# Allegro board LAY-27392_C.brd (continued)
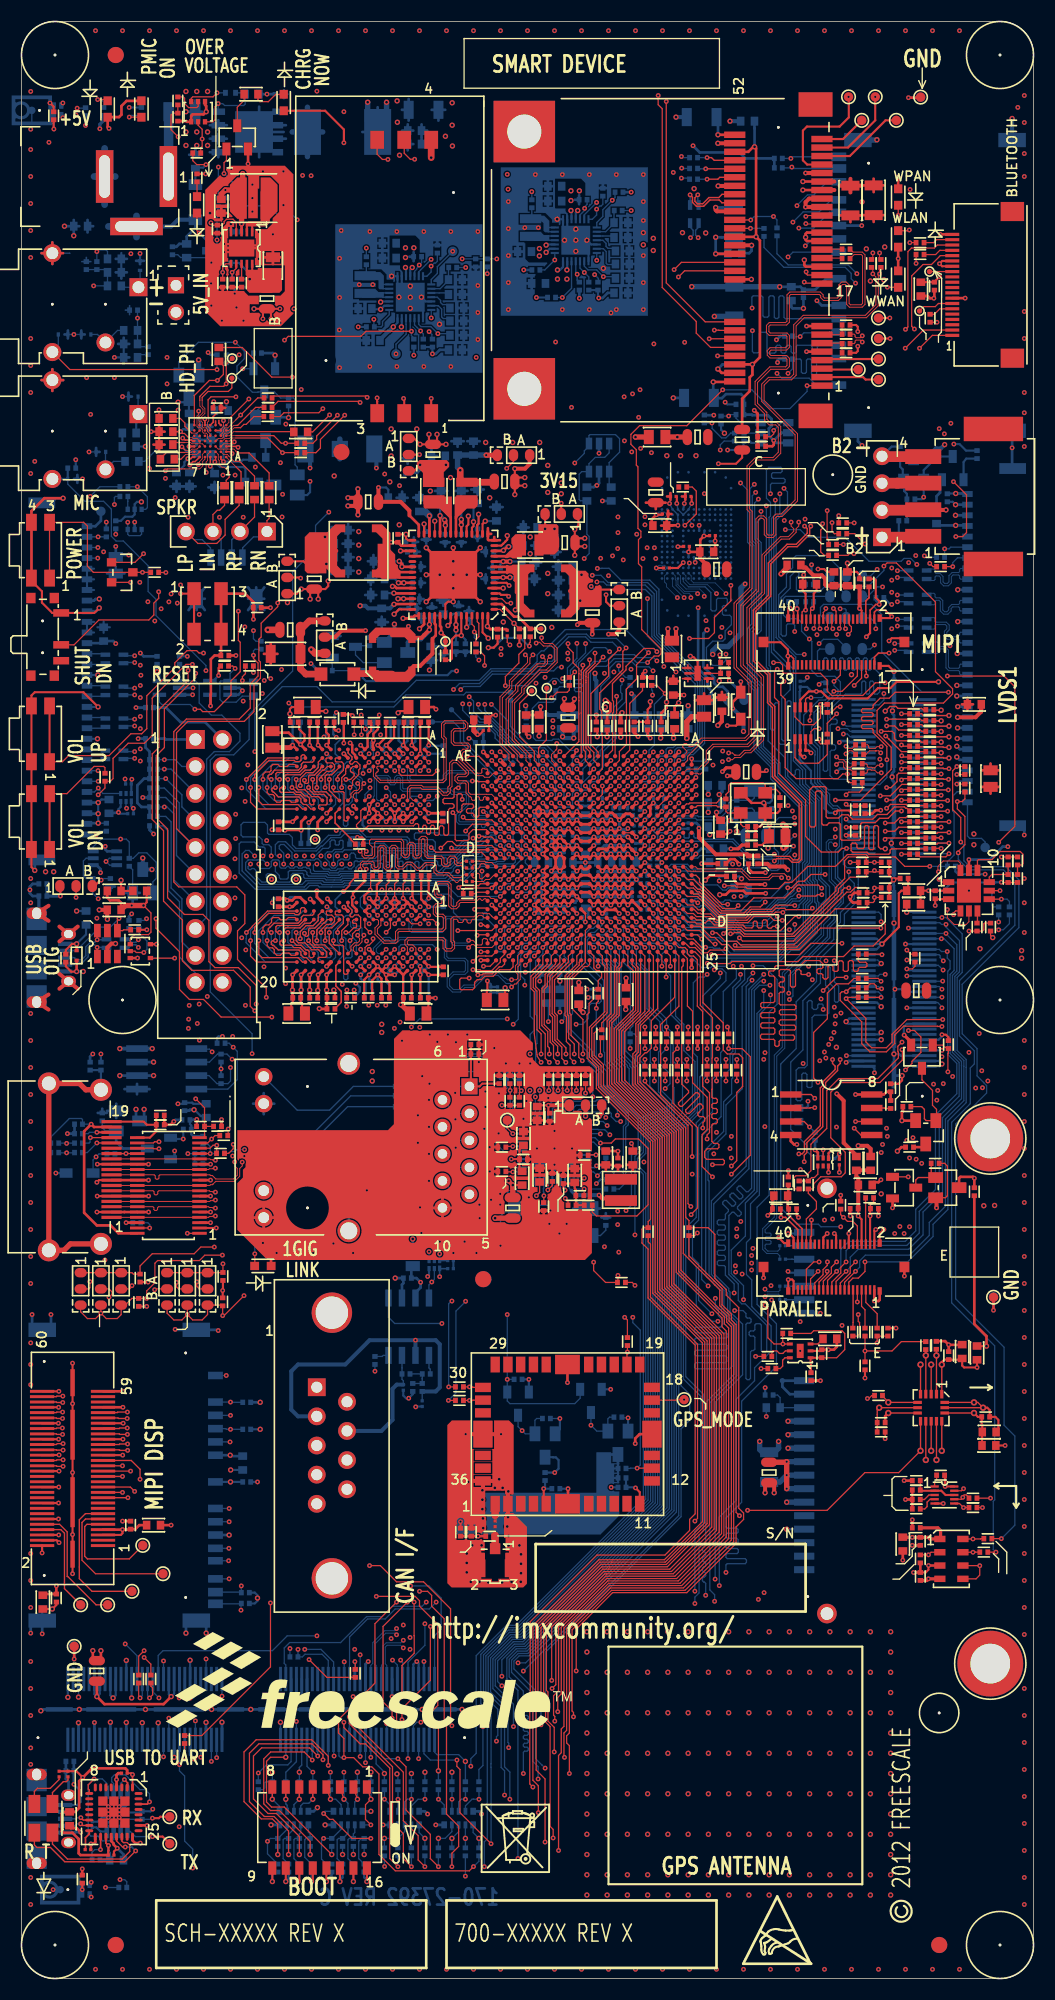
[diagram p0: board, top side]
## Routing (per net, layer and track width the routed paths; a pad name or vN(x,y) marks a point on that pad's centre or on a via; arc(x,y) is an arc through that point) (continued)
DRAM_D11: length 16.6
  TOP w0.119: U1.AE7 43.17,110.21 43.05,110.09 43.05,109.42 42.93,109.3 42.69,109.3 42.58,109.42 42.58,109.53 42.46,109.65 42,109.65 41.88,109.77 41.88,109.96 42.01,110.08 42.42,110.08 42.55,110.21 42.55,110.39 42.42,110.52 41.58,110.52 41.45,110.39 41.45,109.88 41.33,109.75 41.12,109.75 41,109.88 41,111.35 41.12,111.48 41.36,111.48 41.49,111.35 v1(41.49,110.94) ; v1(37.53,109.65) 37.14,110.04 U3.B8
  L6_INT_2 w0.114: v1(37.53,109.65) 37.95,110.06 38.61,110.06 39.15,110.59 39.42,110.59 39.77,110.94 40.04,110.94 40.15,110.83 40.15,110.48 40.27,110.36 40.5,110.36 40.61,110.48 40.61,110.83 40.72,110.94 40.92,110.94 41.05,110.81 41.05,110.31 41.17,110.19 41.63,110.19 41.76,110.31 41.76,110.81 41.63,110.94 v1(41.49,110.94)
DRAM_D12: length 16.7
  TOP w0.119: v1(45.87,112.21) U1.AB5 ; v1(38.33,114.45) 37.94,114.84 U3.A2
  L6_INT_2 w0.114: v1(45.87,112.21) 45.87,112.45 45.47,112.85 45.47,113.98 45.23,114.22 44.07,114.22 43.51,114.78 43.23,114.78 42.85,115.16 42.85,115.34 42.71,115.48 40.73,115.48 40.59,115.34 40.59,114.63 39.8,113.84 39.66,113.84 39.5,113.99 39.5,114.15 40.24,114.88 40.24,115.09 40.09,115.24 39.91,115.24 39.59,114.91 39.42,114.91 39.26,115.07 39.1,115.07 38.94,114.91 38.94,114.75 39.1,114.59 39.1,114.17 38.97,114.05 38.05,114.05 37.92,114.17 37.92,114.34 38.02,114.45 38.33,114.45 v1(38.33,114.45)
DRAM_D13: length 16.5
  TOP w0.119: v1(37.53,113.65) 37.93,114.04 U3.A3 ; v1(45.07,112.21) U1.AC5
  L6_INT_2 w0.114: v1(37.53,113.65) 37.74,113.65 37.87,113.52 37.87,112.67 37.95,112.6 38.15,112.6 38.2,112.65 38.2,113.06 38.28,113.13 38.48,113.13 38.57,113.04 38.57,112.69 38.68,112.57 38.86,112.57 38.98,112.69 38.98,112.99 39.09,113.11 39.27,113.11 39.38,112.99 39.38,112.69 39.5,112.57 39.65,112.57 39.95,112.88 40.16,112.88 40.32,113.04 40.32,113.2 40.14,113.38 40.14,113.54 40.3,113.71 40.46,113.71 40.64,113.52 40.8,113.52 40.97,113.69 40.97,113.85 40.78,114.03 40.78,114.19 41.05,114.45 41.27,114.45 41.4,114.33 41.4,113.66 41.5,113.56 42.16,113.56 42.27,113.66 42.27,114.33 42.57,114.63 42.75,114.63 43.05,114.33 43.23,114.33 43.77,113.79 44.25,113.79 44.44,113.6 44.44,112.64 44.86,112.21 v1(45.07,112.21)
DRAM_D14: length 16.5
  TOP w0.119: v1(45.87,111.41) U1.AB6 ; U3.C3 36.34,114.04 v1(36.73,113.65)
  L6_INT_2 w0.114: v1(45.87,111.41) 45.87,111.6 46.28,112.01 46.28,113.18 46.78,113.68 46.78,113.85 45.63,115 43.33,115 43.31,115.02 43.08,115.25 43.08,115.54 42.93,115.7 40.47,115.7 40.3,115.52 39.97,115.52 39.79,115.7 38.95,115.7 38.84,115.58 38.84,115.19 38.51,114.86 38.5,114.86 38.49,114.86 37.37,114.86 37.14,114.63 37.14,114.6 37.14,114.6 37.14,114.28 37.14,114.28 37.14,114.05 v1(36.73,113.65)
DRAM_D15: length 16.5
  TOP w0.119: U3.C8 36.33,110.04 v1(36.73,110.45) ; v1(45.07,110.61) U1.AC7
  L6_INT_2 w0.114: v1(36.73,110.45) 36.73,110.72 36.86,110.85 39.26,110.85 39.27,110.86 39.29,110.86 39.52,111.09 39.52,111.11 39.74,111.33 40.07,111.33 40.19,111.46 40.19,111.68 40.32,111.81 40.67,111.81 40.79,111.68 40.79,111.43 40.92,111.3 41.09,111.3 41.22,111.43 41.22,111.58 41.4,111.76 41.63,111.76 42.04,111.35 42.04,110.95 42.16,110.82 42.37,110.82 42.49,110.95 42.49,111.2 42.62,111.33 42.8,111.33 42.93,111.2 42.93,110.87 43.05,110.74 43.26,110.74 43.38,110.87 43.38,111.12 43.51,111.25 43.87,111.25 43.99,111.38 43.99,111.63 44.09,111.73 44.27,111.73 44.67,111.34 44.67,111.16 44.5,111 44.11,111 43.88,110.77 43.88,110.34 44.01,110.21 45.24,110.21 45.35,110.32 45.35,110.48 45.23,110.61 v1(45.07,110.61)
DRAM_D16: length 15.5
  TOP w0.119: U1.AB7 46.25,110.21 v1(45.87,110.61)
  L3_INT_1 w0.114: v1(35.93,113.65) 35.86,113.65 35.76,113.54 35.76,113.35 35.53,113.12 35.53,112.98 35.66,112.85 37.64,112.85 37.88,112.61 37.88,112.5 38.01,112.37 40.3,112.37 40.53,112.14 40.68,112.14 40.96,112.42 41.28,112.42 41.51,112.19 41.51,111.99 41.64,111.86 42.75,111.86 42.88,111.73 42.88,111.4 43,111.28 43.18,111.28 43.31,111.4 43.31,111.7 43.43,111.82 43.63,111.82 43.84,111.61 43.84,111.4 43.97,111.28 44.17,111.28 44.3,111.4 44.3,111.68 44.42,111.81 44.55,111.81 44.68,111.68 44.68,111.25 44.91,111.02 45.2,111.02 45.61,110.61 v1(45.87,110.61)
  BOTTOM w0.119: v1(35.93,113.65) 35.53,114.05 U5.D7
DRAM_D17: length 15.6
  TOP w0.119: v1(46.67,109.81) U1.AA8
  L3_INT_1 w0.114: v1(36.73,114.45) 36.73,114.19 36.35,113.81 36.35,113.28 36.47,113.16 37.85,113.16 37.97,113.03 37.97,112.88 38.1,112.75 41.53,112.75 41.66,112.62 41.66,112.39 41.94,112.12 42.83,112.12 43.08,112.36 43.08,112.37 43.31,112.6 44.43,112.6 44.65,112.37 44.65,112.05 44.91,111.8 45.23,111.8 45.45,111.57 45.45,111.25 45.71,111 46.1,111 46.25,110.84 46.25,110.22 v1(46.67,109.81)
  BOTTOM w0.119: U5.C8 36.34,114.84 v1(36.73,114.45)
DRAM_D18: length 15.6
  TOP w0.119: U1.AB9 46.27,108.62 v1(45.87,109.01)
  L3_INT_1 w0.114: v1(35.93,110.45) 36.33,110.85 38.51,110.85 38.74,111.07 38.74,111.51 38.89,111.66 39.29,111.66 39.42,111.53 39.42,111.51 39.52,111.41 39.52,111.09 39.42,110.98 39.42,110.49 39.55,110.36 41.2,110.36 41.39,110.55 41.88,110.55 42.01,110.43 42.01,110.24 41.78,110.01 41.78,109.86 42.01,109.63 42.82,109.63 42.95,109.5 42.95,108.81 43.21,108.56 43.46,108.56 43.59,108.69 43.59,108.86 43.71,108.99 44.5,108.99 44.91,109.4 45.23,109.4 45.36,109.26 45.62,109.26 v1(45.87,109.01)
  BOTTOM w0.119: v1(35.93,110.45) 36.33,110.05 U5.C2
DRAM_D19: length 15.4
  TOP w0.119: v1(47.47,109.01) U1.Y9
  L3_INT_1 w0.114: v1(38.33,110.45) 38.73,110.45 38.86,110.32 38.86,109.86 38.99,109.73 39.98,109.73 40.11,109.6 40.11,109.17 39.98,109.04 38.99,109.04 38.86,108.92 38.86,108.56 38.99,108.43 41.99,108.43 42.14,108.28 42.14,108.19 42.46,107.87 43.22,107.87 43.27,107.82 46.83,107.82 47.05,108.05 47.05,108.4 47.28,108.63 47.28,108.83 v1(47.47,109.01)
  BOTTOM w0.119: v1(38.33,110.45) 37.93,110.04 U5.A2
DRAM_D20: length 15.6
  TOP w0.119: v1(47.47,110.61) U1.Y7
  L3_INT_1 w0.114: v1(47.47,110.61) 47.47,110.86 47.08,111.25 47.08,111.62 46.9,111.8 46.41,111.8 46.28,111.92 46.28,112.39 46.08,112.6 45.59,112.6 45.47,112.72 45.47,113.15 45.44,113.17 45.22,113.4 45.22,113.4 44.92,113.4 44.67,113.65 44.47,113.65 44.36,113.54 44.36,113.29 44.25,113.18 44.1,113.18 43.99,113.29 43.99,113.54 43.88,113.65 43.73,113.65 43.62,113.54 43.62,113.29 43.52,113.18 43.36,113.18 43.26,113.29 43.26,113.54 43.15,113.65 42.96,113.65 42.59,113.28 41.57,113.28 40.8,114.05 40.5,114.05 40.39,113.94 40.39,113.44 40.28,113.33 40.13,113.33 40.02,113.44 40.02,113.94 39.89,114.07 38.76,114.07 38.59,113.9 v1(38.33,113.65)
  BOTTOM w0.119: v1(38.33,113.65) 37.94,114.04 U5.A7
DRAM_D21: length 15.5
  TOP w0.119: v1(47.47,109.81) U1.Y8
  L3_INT_1 w0.114: v1(36.73,115.25) 37.15,114.83 37.69,114.83 37.94,114.59 37.94,113.5 37.95,113.49 37.95,113.49 38.17,113.26 38.18,113.26 38.35,113.08 41.34,113.08 41.45,112.97 41.94,112.97 42.04,113.06 42.65,113.06 42.75,112.97 44.36,112.97 44.52,112.81 44.73,112.6 45.23,112.6 45.45,112.37 45.45,112.05 45.71,111.8 46.03,111.8 46.25,111.57 46.25,111.28 46.28,111.25 46.28,111.25 46.51,111.02 46.51,111.02 46.53,111 46.84,111 47.06,110.77 47.06,110.21 v1(47.47,109.81)
  BOTTOM w0.119: U5.B8 37.13,114.85 v1(36.73,115.25)
DRAM_D22: length 15.6
  TOP w0.119: v1(45.07,109.81) U1.AC8
  L3_INT_1 w0.114: v1(45.07,109.81) 44.87,110.01 44.72,110.01 44.5,110.22 44.11,110.22 44.09,110.24 43.41,110.24 43.37,110.2 43.31,110.2 43.12,110.01 42.47,110.01 42.34,110.13 42.34,110.65 42.21,110.78 42,110.78 41.87,110.91 41.87,111.1 41.65,111.33 41.33,111.33 41.1,111.1 41.1,110.87 40.97,110.74 40.15,110.74 40.02,110.87 40.02,111.76 39.89,111.89 38.61,111.89 38.38,111.66 37.49,111.66 37.36,111.79 37.36,112.12 37.24,112.24 36.58,112.24 36.45,112.12 36.45,111.37 36.58,111.25 v1(37.53,111.25)
  BOTTOM w0.119: v1(37.53,111.25) 36.73,111.25 36.33,110.84 U5.C3
DRAM_D23: length 15.5
  TOP w0.119: v1(46.67,109.01) U1.AA9
  L3_INT_1 w0.114: v1(39.13,111.25) 39.13,110.13 39.26,110.01 40.18,110.01 40.31,110.13 40.98,110.13 41.11,110.01 41.11,109.4 41.03,109.32 40.56,109.32 40.44,109.19 40.44,108.78 40.56,108.65 40.83,108.65 41.02,108.84 41.31,108.84 41.5,108.65 41.76,108.65 41.88,108.78 41.88,109.05 42.05,109.22 42.29,109.22 42.42,109.09 42.42,108.38 42.54,108.25 43.71,108.25 44.06,108.6 44.43,108.6 44.57,108.46 44.75,108.46 44.89,108.6 45.23,108.6 45.37,108.46 45.54,108.46 45.7,108.62 45.96,108.62 45.99,108.6 46.03,108.6 46.17,108.46 46.35,108.46 46.49,108.6 46.54,108.6 46.67,108.72 v1(46.67,109.01)
  BOTTOM w0.119: U5.A3 37.93,110.85 38.73,110.85 v1(39.13,111.25)
DRAM_D24: length 21.6
  TOP w0.119: U1.AE9 42.45,108.61 v1(41.81,107.97)
  L6_INT_2 w0.114: v1(41.81,107.97) 41.81,107.32 41.96,107.16 41.96,106.81 41.76,106.6 41.4,106.6 40.89,107.11 37.54,107.11 37.43,107 34.28,107 33.51,107.77 33.51,108.25 33.94,108.69 33.94,110.59 33.69,110.83 33.58,110.83 33.45,110.96 33.45,111.92 33.22,112.15 33.22,112.98 33.35,113.11 33.66,113.11 34.09,112.67 34.09,112.29 34.33,112.05 v1(34.33,112.05)
  BOTTOM w0.119: U5.E3 34.73,110.94 34.73,110.95 34.73,111.65 v1(34.33,112.05)
DRAM_D25: length 21.6
  TOP w0.119: v1(47.47,108.21) U1.Y10
  L6_INT_2 w0.114: v1(47.47,108.21) 47.45,108.21 47.06,108.6 46.52,108.6 46.25,108.86 46.25,109.24 46.1,109.4 44.75,109.4 44.42,109.07 43.59,109.07 42.72,109.93 41.25,109.93 40.99,109.67 40.99,109.54 40.58,109.14 39.89,108.45 37.36,108.45 37.14,108.66 37.14,109.02 36.91,109.25 35.79,109.25 35.52,109.51 35.52,110.69 35.38,110.83 34.97,110.83 34.72,111.08 34.72,111.09 34.72,111.45 35.08,111.81 35.08,112.34 34.73,112.7 34.73,114.05 v1(34.33,114.45)
  BOTTOM w0.119: v1(34.33,114.45) 33.93,114.85 U5.F8
DRAM_D26: length 21.6
  TOP w0.119: v1(42.5,107.3) 42.54,107.3 42.82,107.01 U1.AE11
  L6_INT_2 w0.114: v1(42.5,107.3) 42.87,106.93 43.23,106.93 43.46,106.71 43.46,105.66 43.15,105.36 41.27,105.36 40.97,105.66 40.97,106.55 40.64,106.88 37.72,106.88 37.62,106.78 34.19,106.78 33.25,107.72 33.25,108.31 33.13,108.43 33.13,111.73 v1(32.81,112.05)
  BOTTOM w0.119: v1(32.81,112.05) 32.81,111.88 32.33,111.4 32.33,111.12 32.33,111.12 U5.H3
DRAM_D27: length 21.4
  TOP w0.119: v1(45.87,107.41) U1.AB11
  L3_INT_1 w0.114: v1(35.53,108.05) 35.12,108.46 34.85,108.46 34.73,108.58 34.73,108.99 34.72,109 34.72,109.05 34.54,109.23 34.07,109.23 33.94,109.36 33.94,109.8 33.72,110.02 33.53,110.21 v1(33.53,110.45)
  L6_INT_2 w0.114: v1(45.87,107.41) 45.87,107.14 45.99,107.01 46.95,107.01 47.08,107.14 47.08,107.7 46.95,107.82 46.51,107.82 46.28,108.05 46.28,108.35 46.03,108.6 44.91,108.6 44.68,108.37 44.68,107.8 44.55,107.67 43.84,107.67 43.32,108.19 43.32,108.31 43.09,108.55 42.65,108.98 42.65,109.12 42.53,109.25 42.08,109.25 41.9,109.06 41.9,109.02 41.77,108.89 41.45,108.89 40.33,107.77 36.93,107.77 36.82,107.66 35.92,107.66 v1(35.53,108.05)
  BOTTOM w0.119: U5.G2 33.13,110.04 v1(33.53,110.45)
DRAM_D28: length 21.5
  TOP w0.119: v1(45.07,109.01) U1.AC9
  L6_INT_2 w0.114: v1(45.07,109.01) 44.7,109.01 44.46,108.76 43.38,108.76 42.48,109.67 41.34,109.67 41.33,109.67 41.21,109.54 41.21,109.45 39.98,108.23 37.14,108.23 36.94,108.43 36.17,108.43 35.69,108.43 35.52,108.6 35.52,109.01 35.28,109.25 34.93,109.25 34.73,109.45 34.73,110.64 34.54,110.83 34.13,110.83 33.93,111.04 33.93,111.44 34.12,111.63 34.47,111.63 34.75,111.91 34.75,112.24 34.45,112.54 34.45,113.05 34.39,113.12 34.03,113.12 33.92,113.23 33.92,113.46 33.81,113.56 33.35,113.56 33.22,113.69 33.22,113.91 33.35,114.03 34.21,114.03 34.33,113.91 v1(34.33,113.65)
  BOTTOM w0.119: v1(34.33,113.65) 33.93,114.05 U5.F7
DRAM_D29: length 21.5
  TOP w0.119: U1.AD9 44.67,108.62 44.27,109.01 43.7,109.01 43.67,109.05 41.83,109.05 41.59,109.28 v1(41.57,109.28)
  L3_INT_1 w0.114: v1(34.33,109.65) 34.43,109.65 34.82,109.25 36.17,109.25 36.32,109.4 36.32,109.82 36.53,110.03 36.57,110.03 37.37,110.03 37.77,110.03 37.95,109.86 37.95,108.53 38.02,108.46 38.43,108.46 38.56,108.33 38.56,107.77 38.43,107.65 37.74,107.65 37.62,107.77 37.62,109.14 37.5,109.26 37.25,109.26 37.13,109.14 37.13,108.17 37.01,108.05 v1(36.33,108.05)
  L6_INT_2 w0.114: v1(41.57,109.28) 41.46,109.28 40.2,108.01 36.78,108.01 36.75,108.05 v1(36.33,108.05)
  BOTTOM w0.119: U5.F2 33.93,110.05 v1(34.33,109.65)
DRAM_D30: length 21.6
  TOP w0.119: U1.AD11 44.27,107.41 43.7,107.41 43.67,107.37 43.55,107.37 43.45,107.48 v1(43.06,107.48)
  L3_INT_1 w0.114: v1(33.93,108.05) 33.52,108.46 33.37,108.46 33.37,108.46 33.35,108.46 33.13,108.69 33.13,109.07 32.95,109.25 32.57,109.25 32.35,109.47 32.35,109.71 32.24,109.82 32.01,109.82 31.9,109.93 31.9,110.08 32.01,110.19 32.24,110.19 32.35,110.29 32.35,110.45 32.24,110.55 32.19,110.55 32.08,110.66 32.08,110.81 32.19,110.92 32.24,110.92 32.35,111.03 32.35,111.46 32.52,111.63 32.89,111.63 32.94,111.68 32.96,111.68 33.17,111.9 33.17,111.91 33.2,111.94 33.2,113 33.08,113.13 32.41,113.13 v1(32.16,113.39)
  L6_INT_2 w0.114: v1(43.06,107.48) 42.13,108.42 41.62,108.42 40.53,107.33 37.3,107.33 37.19,107.21 34.77,107.21 33.94,108.05 v1(33.93,108.05)
  BOTTOM w0.119: U5.H7 32.16,113.87 v1(32.16,113.39)
DRAM_D31: length 21.5
  TOP w0.119: v1(45.07,107.41) U1.AC11
  L3_INT_1 w0.114: v1(32.73,115.24) 32.73,115.23 33.14,114.81 33.14,114.18 33.67,113.65 33.67,111.41 33.15,110.88 33.15,109.49 33.4,109.23 33.69,109.23 33.92,109.01 33.92,108.66 34.14,108.43 34.37,108.43 34.73,108.06 v1(34.73,108.05)
  L6_INT_2 w0.114: v1(34.73,108.05) 35.35,107.43 37.02,107.43 37.13,107.54 40.41,107.54 41.51,108.65 42.46,108.65 43.01,108.1 43.01,108.08 43.68,107.41 v1(45.07,107.41)
  BOTTOM w0.119: U5.H8 32.44,114.96 v1(32.73,115.24)
DRAM_D32: length 23.5
  TOP w0.119: v1(34.33,98.44) 34.73,98.84 U2.E3 ; v1(46.67,101.81) U1.AA17
  L6_INT_2 w0.114: v1(46.67,101.81) 46.32,101.81 45.92,102.21 43.88,102.21 43.77,102.32 43.77,102.56 43.66,102.67 43.51,102.67 43.4,102.56 43.4,102.32 43.3,102.21 43.14,102.21 43.04,102.32 43.04,102.56 42.93,102.67 42.77,102.67 42.67,102.56 42.67,102.32 42.56,102.21 40.54,102.21 39.22,103.53 34.42,103.53 33.5,102.62 33.5,102.23 33.93,101.8 33.93,99.85 33.38,99.29 33.38,98.25 33.6,98.02 33.9,98.02 v1(34.33,98.44)
DRAM_D33: length 23.6
  TOP w0.119: U2.G2 v1(33.53,100.04) ; v1(46.67,101.01) U1.AA18
  L3_INT_1 w0.114: v1(33.53,100.04) 33.53,100.33 33.65,100.46 33.69,100.46 33.92,100.68 33.92,101 34.18,101.26 34.49,101.26 34.72,101.48 34.72,101.78 34.97,102.03 35.29,102.03 35.52,101.8 35.52,101.43 35.69,101.26 36.09,101.26 36.32,101.48 36.32,101.91 36.07,102.15 35.82,102.15 v1(35.53,102.44)
  L6_INT_2 w0.114: v1(35.53,102.44) 35.53,102.7 35.65,102.83 38.85,102.83 40.14,101.54 40.45,101.54 40.56,101.43 40.56,101.12 40.67,101.02 40.82,101.02 40.93,101.12 40.93,101.43 41.04,101.54 41.19,101.54 41.3,101.43 41.3,101.02 41.39,100.93 41.57,100.93 41.67,101.02 41.67,101.43 41.77,101.54 41.93,101.54 42.03,101.43 42.03,101.02 42.13,100.93 42.31,100.93 42.4,101.02 42.4,101.43 42.51,101.54 42.81,101.54 43,101.35 43,100.84 43.23,100.61 43.51,100.61 43.63,100.48 43.96,100.48 44.09,100.61 44.42,100.61 44.55,100.48 44.73,100.48 44.86,100.61 45.21,100.61 45.48,100.87 45.48,101.17 45.71,101.4 46.03,101.4 46.25,101.17 46.25,101.17 46.41,101.01 v1(46.67,101.01)
DRAM_D34: length 23.6
  TOP w0.119: v1(45.07,101.01) U1.AC18 ; U2.H8 v1(32.73,96.04)
  L3_INT_1 w0.114: v1(32.73,96.04) 32.73,95.76 32.85,95.63 33.02,95.63 33.15,95.76 33.15,96.3 33.27,96.43 33.6,96.43 33.7,96.53 33.7,99.36 33.6,99.46 33.2,99.46 33.07,99.59 33.07,99.84 33.12,99.88 33.12,100.2 32.97,100.35 32.97,100.54 33.12,100.68 33.12,101.11 33.26,101.26 33.69,101.26 33.92,101.48 33.92,101.78 34.19,102.06 34.34,102.06 v1(34.73,102.44)
  L6_INT_2 w0.114: v1(45.07,101.01) 44.86,101.01 44.12,101.75 43.94,101.75 43.82,101.64 43.82,101.12 43.7,100.99 43.49,100.99 43.37,101.12 43.37,101.64 43.25,101.75 40.31,101.75 39.01,103.05 34.9,103.05 34.73,102.87 v1(34.73,102.44)
DRAM_D35: length 23.6
  TOP w0.119: U2.F2 v1(34.33,100.84) ; v1(42.65,100.61) 42.76,100.72 43.75,100.72 U1.AE19
  L3_INT_1 w0.114: v1(36.33,102.44) 36.33,102.51 36.43,102.62 36.85,102.62 36.95,102.51 36.95,102.15 37.06,102.03 37.29,102.03 37.41,102.15 37.41,102.51 37.51,102.62 37.76,102.62 37.86,102.51 37.86,102.15 37.98,102.03 38.21,102.03 38.32,102.15 38.32,102.33 38.44,102.44 38.66,102.44 38.89,102.22 38.89,102.06 38.74,101.91 38.74,101.75 38.9,101.58 39.06,101.58 39.21,101.73 39.37,101.73 39.56,101.55 39.56,101.05 39.09,100.58 38.86,100.58 38.73,100.71 38.73,100.98 38.49,101.23 38.05,101.23 37.92,101.09 37.92,100.56 37.79,100.43 37.26,100.43 37.13,100.56 37.13,101.12 37.01,101.24 36.47,101.24 36.34,101.12 36.34,100.58 36.21,100.46 35.77,100.46 35.61,100.61 35.44,100.61 35.29,100.46 34.97,100.46 34.74,100.68 34.74,100.72 34.61,100.84 v1(34.33,100.84)
  L6_INT_2 w0.114: v1(42.65,100.61) 40.74,100.61 38.87,102.48 36.36,102.48 v1(36.33,102.44)
DRAM_D36: length 23.5
  TOP w0.119: U2.H3 32.33,98.92 v1(32.8,98.44) ; U1.Y17 v1(47.47,101.81)
  L6_INT_2 w0.114: v1(32.8,98.44) 33.12,98.76 33.12,102.06 33.25,102.18 33.25,102.74 34.26,103.76 41.35,103.76 41.41,103.7 41.41,103.44 41.52,103.33 41.67,103.33 41.78,103.44 41.78,103.7 41.89,103.8 42.04,103.8 42.15,103.7 42.15,103.44 42.25,103.33 42.41,103.33 42.51,103.44 42.51,103.7 42.62,103.8 43.17,103.8 43.18,103.81 43.97,103.81 44.77,103.01 46.04,103.01 46.28,102.77 46.28,102.46 46.28,102.45 46.51,102.22 46.52,102.22 46.54,102.2 47.08,102.2 v1(47.47,101.81)
DRAM_D37: length 23.5
  TOP w0.119: U1.Y18 v1(47.47,101.01) ; v1(33.1,97.84) 33.1,97.61 32.72,97.23 32.57,97.23 32.34,97.01 32.34,96.45 U2.H7
  L3_INT_1 w0.114: v1(33.1,97.84) 33.19,97.94 33.19,98.6 32.96,98.83 32.59,98.83 32.34,99.08 32.34,101.02 32.57,101.26 32.89,101.26 33.12,101.48 33.12,101.8 33.76,102.44 v1(33.93,102.44)
  L6_INT_2 w0.114: v1(47.47,101.01) 47.08,101.4 46.83,101.4 46.38,101.4 46.13,101.65 45.45,101.65 45.45,101.65 45.23,101.42 45.19,101.42 44.83,101.42 44.29,101.97 40.42,101.97 39.13,103.26 34.75,103.26 v1(33.93,102.44)
DRAM_D38: length 23.6
  TOP w0.119: U1.AB19 v1(45.87,100.21) ; U2.F8 v1(34.33,96.04)
  L6_INT_2 w0.114: v1(45.87,100.21) 46.13,100.21 46.25,100.08 46.25,99.92 46.13,99.8 46.03,99.8 46.03,99.8 45.71,99.8 45.71,99.8 45.23,99.8 45.23,99.8 44.91,99.8 44.91,99.8 44.65,99.8 44.46,99.99 40.62,99.99 38.57,102.04 37.35,102.04 37.13,101.83 37.13,101.37 37.01,101.24 36.55,101.24 36.32,101.01 36.32,100.63 36.14,100.46 35.64,100.46 35.52,100.33 35.52,99.8 35.37,99.66 34.96,99.66 34.72,99.41 34.72,99.11 34.97,98.86 35.15,98.86 35.28,98.73 35.28,98.34 35.06,98.12 35.06,97.9 34.85,97.69 34.85,97.11 34.74,97 34.74,96.68 34.85,96.58 34.85,96.31 34.74,96.2 34.74,95.88 34.85,95.78 34.85,95.51 34.74,95.4 34.74,94.97 34.61,94.84 34.06,94.84 33.93,94.97 33.93,95.92 34.06,96.04 v1(34.33,96.04)
DRAM_D39: length 23.6
  TOP w0.119: U2.F7 v1(34.33,96.84) ; U1.AC19 v1(45.07,100.21)
  L6_INT_2 w0.114: v1(34.33,96.84) 33.94,96.46 33.39,96.46 33.14,96.2 33.14,95.88 32.91,95.66 32.54,95.66 32.32,95.88 32.32,96.22 32.56,96.46 32.89,96.46 33.28,96.85 33.71,96.85 34.57,97.71 34.57,97.86 34.75,98.04 34.75,98.58 34.47,98.86 34.11,98.86 33.92,99.05 33.92,99.45 34.12,99.66 34.53,99.66 34.72,99.85 34.72,101.04 34.92,101.24 35.28,101.24 35.52,101.48 35.52,101.89 35.69,102.06 36.17,102.06 36.93,102.06 37.13,102.26 38.73,102.26 39.58,101.42 40.79,100.21 v1(45.07,100.21)
DRAM_D40: length 14.3
  TOP w0.119: U1.Y19 v1(47.47,100.21) ; U2.D7 v1(35.93,96.84)
  L3_INT_1 w0.114: v1(35.93,96.84) 36.52,97.43 38.18,97.43 38.51,97.76 41.15,97.76 41.94,98.55 43.76,98.55 44.22,99.01 46.02,99.01 46.25,99.24 46.25,99.59 46.48,99.82 47.08,99.82 v1(47.47,100.21)
DRAM_D41: length 14.3
  TOP w0.119: U2.A3 38.73,99.64 v1(39.13,99.24) ; v1(45.87,99.41) U1.AB20
  L3_INT_1 w0.114: v1(39.13,99.24) 39.13,99.78 39.34,100 39.78,100 39.92,99.86 39.92,99.55 40.02,99.44 40.18,99.44 40.28,99.55 40.28,100.27 40.39,100.38 40.55,100.38 40.65,100.27 40.65,99.55 40.76,99.44 40.91,99.44 41.02,99.55 41.02,100.25 41.13,100.36 41.28,100.36 41.39,100.25 41.39,99.55 41.5,99.44 41.65,99.44 41.76,99.55 41.76,99.99 41.87,100.1 42.02,100.1 42.13,99.99 42.13,99.55 42.23,99.44 42.39,99.44 42.77,99.82 45.46,99.82 v1(45.87,99.41)
DRAM_D42: length 14.2
  TOP w0.119: v1(45.87,98.61) U1.AB21 ; U2.C8 v1(36.73,96.04)
  L3_INT_1 w0.114: v1(45.87,98.61) 45.65,98.61 45.26,98.22 44.91,98.22 44.65,97.97 44.65,97.65 44.26,97.26 43,97.26 42.3,96.56 41.96,96.56 41.78,96.38 41.62,96.38 41.29,96.05 41,96.05 40.87,96.19 40.87,97.1 40.72,97.26 40.54,97.26 40.41,97.13 40.41,96.55 40.28,96.42 40.11,96.42 39.88,96.65 39.6,96.65 39.37,96.42 39.15,96.42 39.03,96.29 39.03,95.78 38.9,95.66 37.12,95.66 v1(36.73,96.04)
DRAM_D43: length 14.2
  TOP w0.119: v1(37.53,99.24) 36.73,99.24 U2.C3 ; v1(41.07,98.6) 41.08,98.61 44.27,98.61 U1.AD21
  L3_INT_1 w0.114: v1(41.07,98.6) 38.23,98.6 37.59,97.97 35.61,97.97 35.53,98.04 35.53,98.25 35.64,98.35 37.29,98.35 37.74,98.81 37.74,99.12 37.62,99.24 v1(37.53,99.24)
DRAM_D44: length 14.2
  TOP w0.119: U2.A2 v1(38.33,100.04) ; v1(47.47,99.41) U1.Y20
  L3_INT_1 w0.114: v1(38.33,100.04) 38.86,100.04 39.6,100.79 41.78,100.79 42.42,100.15 42.93,100.15 43.04,100.26 43.04,100.65 43.15,100.76 43.3,100.76 43.41,100.65 43.41,100.26 43.54,100.13 43.69,100.13 43.81,100.25 43.81,100.53 43.9,100.62 44.09,100.62 44.2,100.51 44.2,100.33 44.3,100.23 44.48,100.23 44.86,100.61 47.63,100.61 47.85,100.39 47.85,99.8 v1(47.47,99.41)
DRAM_D45: length 14.4
  TOP w0.119: U1.AA20 v1(46.67,99.41) ; U2.B8 v1(36.73,95.24)
  L3_INT_1 w0.114: v1(46.67,99.41) 46.51,99.25 46.51,99.01 46.25,98.76 46.25,98.35 46.13,98.22 45.67,98.22 45.45,98.01 45.45,97.65 45.21,97.41 44.83,97.41 44.42,97 43.05,97 42.39,96.34 42.11,96.34 41.35,95.58 40.69,95.58 40.56,95.71 40.56,95.94 40.44,96.06 39.98,96.06 39.85,95.94 39.85,95.71 39.73,95.58 39.24,95.58 38.51,94.84 37.36,94.84 36.96,95.24 v1(36.73,95.24)
DRAM_D46: length 14.2
  TOP w0.119: U1.AE21 43.64,99.01 43.48,99.16 v1(43.23,99.16) ; U2.C2 v1(35.93,100.04)
  L3_INT_1 w0.114: v1(43.23,99.16) 39.75,99.16 39.42,98.83 38.89,98.83 38.73,98.98 38.73,99.34 38.72,99.36 38.72,99.4 38.49,99.63 38.17,99.63 38,99.47 37.85,99.47 37.69,99.63 37.37,99.63 37.14,99.4 37.14,99.34 37.13,99.34 37.13,98.68 37.03,98.58 36.88,98.58 36.75,98.7 36.75,99.57 36.68,99.64 36.45,99.64 36.35,99.54 36.35,98.73 36.25,98.63 35.66,98.63 35.53,98.76 35.53,99.92 35.66,100.04 v1(35.93,100.04)
DRAM_D47: length 14.2
  TOP w0.119: v1(45.07,98.61) U1.AC21 ; U2.A7 v1(38.33,96.84)
  L3_INT_1 w0.114: v1(38.33,96.84) 38.05,96.84 37.92,96.72 37.92,96.57 38.05,96.44 38.61,96.44 38.73,96.57 38.73,97.38 38.86,97.51 39.22,97.51 39.37,97.36 39.98,97.36 40.13,97.51 41.05,97.51 41.17,97.38 41.17,96.72 41.3,96.6 41.53,96.6 41.7,96.77 41.7,97 41.59,97.12 41.59,97.9 42.01,98.32 42.35,98.32 42.48,98.2 42.48,97.6 42.6,97.47 42.72,97.47 43.01,97.77 43.05,97.77 43.09,97.82 43.36,97.82 43.56,97.61 43.75,97.61 43.88,97.74 43.88,98.11 44.01,98.24 44.35,98.24 44.48,98.36 44.48,98.67 44.6,98.79 44.94,98.79 45.07,98.67 v1(45.07,98.61)
DRAM_D48: length 13
  TOP w0.119: U1.AC22 v1(45.07,97.81)
  L6_INT_2 w0.114: v1(35.93,99.24) 37.2,97.97 41.82,97.97 41.93,98.07 42.39,98.07 43.84,96.62 45.23,96.62 45.45,96.85 45.45,97.42 v1(45.07,97.81)
  BOTTOM w0.119: U4.D7 v1(35.93,99.24)
DRAM_D49: length 13
  TOP w0.119: U1.AE22 42.94,98.21 v1(42.89,98.16)
  L6_INT_2 w0.114: v1(42.89,98.16) 42.62,98.42 41.44,98.42 41.23,98.22 39.21,98.22 39.1,98.32 39.1,98.62 38.99,98.73 38.84,98.73 38.73,98.62 38.73,98.32 38.63,98.22 38.47,98.22 38.36,98.32 38.36,98.62 38.26,98.73 38.1,98.73 38,98.62 38,98.32 37.89,98.22 37.26,98.22 36.33,99.14 36.33,99.32 36.54,99.53 36.69,99.53 37.37,98.86 37.69,98.86 38.08,99.24 v1(38.33,99.24)
  BOTTOM w0.119: U4.A7 v1(38.33,99.24)
DRAM_D50: length 13.1
  TOP w0.119: U1.AE24 v1(43.24,96.61)
  L6_INT_2 w0.114: v1(43.24,96.61) 42.85,96.22 41.76,96.22 41.63,96.34 41.63,97.23 41.5,97.36 41.25,97.36 41.12,97.23 41.12,96.27 41,96.14 40.79,96.14 40.67,96.27 40.67,97.26 40.54,97.38 40.22,97.38 40.1,97.26 40.1,96.3 39.99,96.19 39.84,96.19 39.73,96.3 39.73,97.43 39.62,97.54 37.65,97.54 37.53,97.41 v1(37.53,96.84)
  BOTTOM w0.119: U4.A3 v1(37.53,96.84)
DRAM_D51: length 13
  TOP w0.119: v1(42.49,94.92) 43.15,94.92 43.23,94.84 44.27,94.84 45.07,95.64 45.07,95.98 45.47,96.38 U1.AC24
  L6_INT_2 w0.114: v1(36.73,96.84) 37.13,96.44 37.13,95.89 37.37,95.66 37.69,95.66 37.94,95.41 37.94,94.19 38.13,94.01 41.43,94.01 41.96,94.54 42.11,94.54 v1(42.49,94.92)
  BOTTOM w0.119: U4.C3 v1(36.73,96.84)
DRAM_D52: length 13.2
  TOP w0.119: U1.AB22 v1(45.87,97.81)
  L6_INT_2 w0.114: v1(45.87,97.81) 45.87,97.59 45.99,97.46 46.15,97.46 46.28,97.59 46.28,98.07 46.15,98.2 44.6,98.2 44.48,98.32 44.48,98.86 43.78,99.55 42.46,99.55 42.36,99.44 42.29,99.37 42.06,99.37 41.88,99.55 41.73,99.55 41.57,99.39 41.3,99.39 41.14,99.55 40.99,99.55 40.81,99.36 40.59,99.36 40.41,99.55 40.18,99.55 39.83,99.9 39.14,99.9 38.61,100.43 37.65,100.43 37.53,100.56 v1(37.53,100.84)
  BOTTOM w0.119: U4.B8 v1(37.53,100.84)
DRAM_D53: length 13
  TOP w0.119: U1.AC23 v1(45.07,97.01)
  L6_INT_2 w0.114: v1(36.73,100.04) 37.13,99.64 39.32,99.64 39.62,99.34 39.62,98.7 39.75,98.58 40.49,98.58 40.59,98.69 40.59,98.89 40.7,99 42.85,99 43.07,98.78 43.39,98.78 43.49,98.87 44.07,98.87 44.2,98.74 44.2,98.42 43.81,98.04 43.81,97.41 44.21,97.01 v1(45.07,97.01)
  BOTTOM w0.119: U4.C8 v1(36.73,100.04)
DRAM_D54: length 13
  TOP w0.119: U1.AD25 44.11,95.25 v1(43.48,95.25)